# Altium PCB Radxa CM5 IO Board v2200.PcbDoc (part 8 of 8)
Units mil, origin at the board's own origin, x right, y up, seen from the top; angles counter-clockwise.
Board outline 6299.61 x 3544.09 mil, 4 copper layers (Top, GND, Power, Bottom), stack 35.4 mil thick; 482 components, 404 nets, 1857 pads, 2731 vias.
Unrouted connection lines stored in the file: 1872.
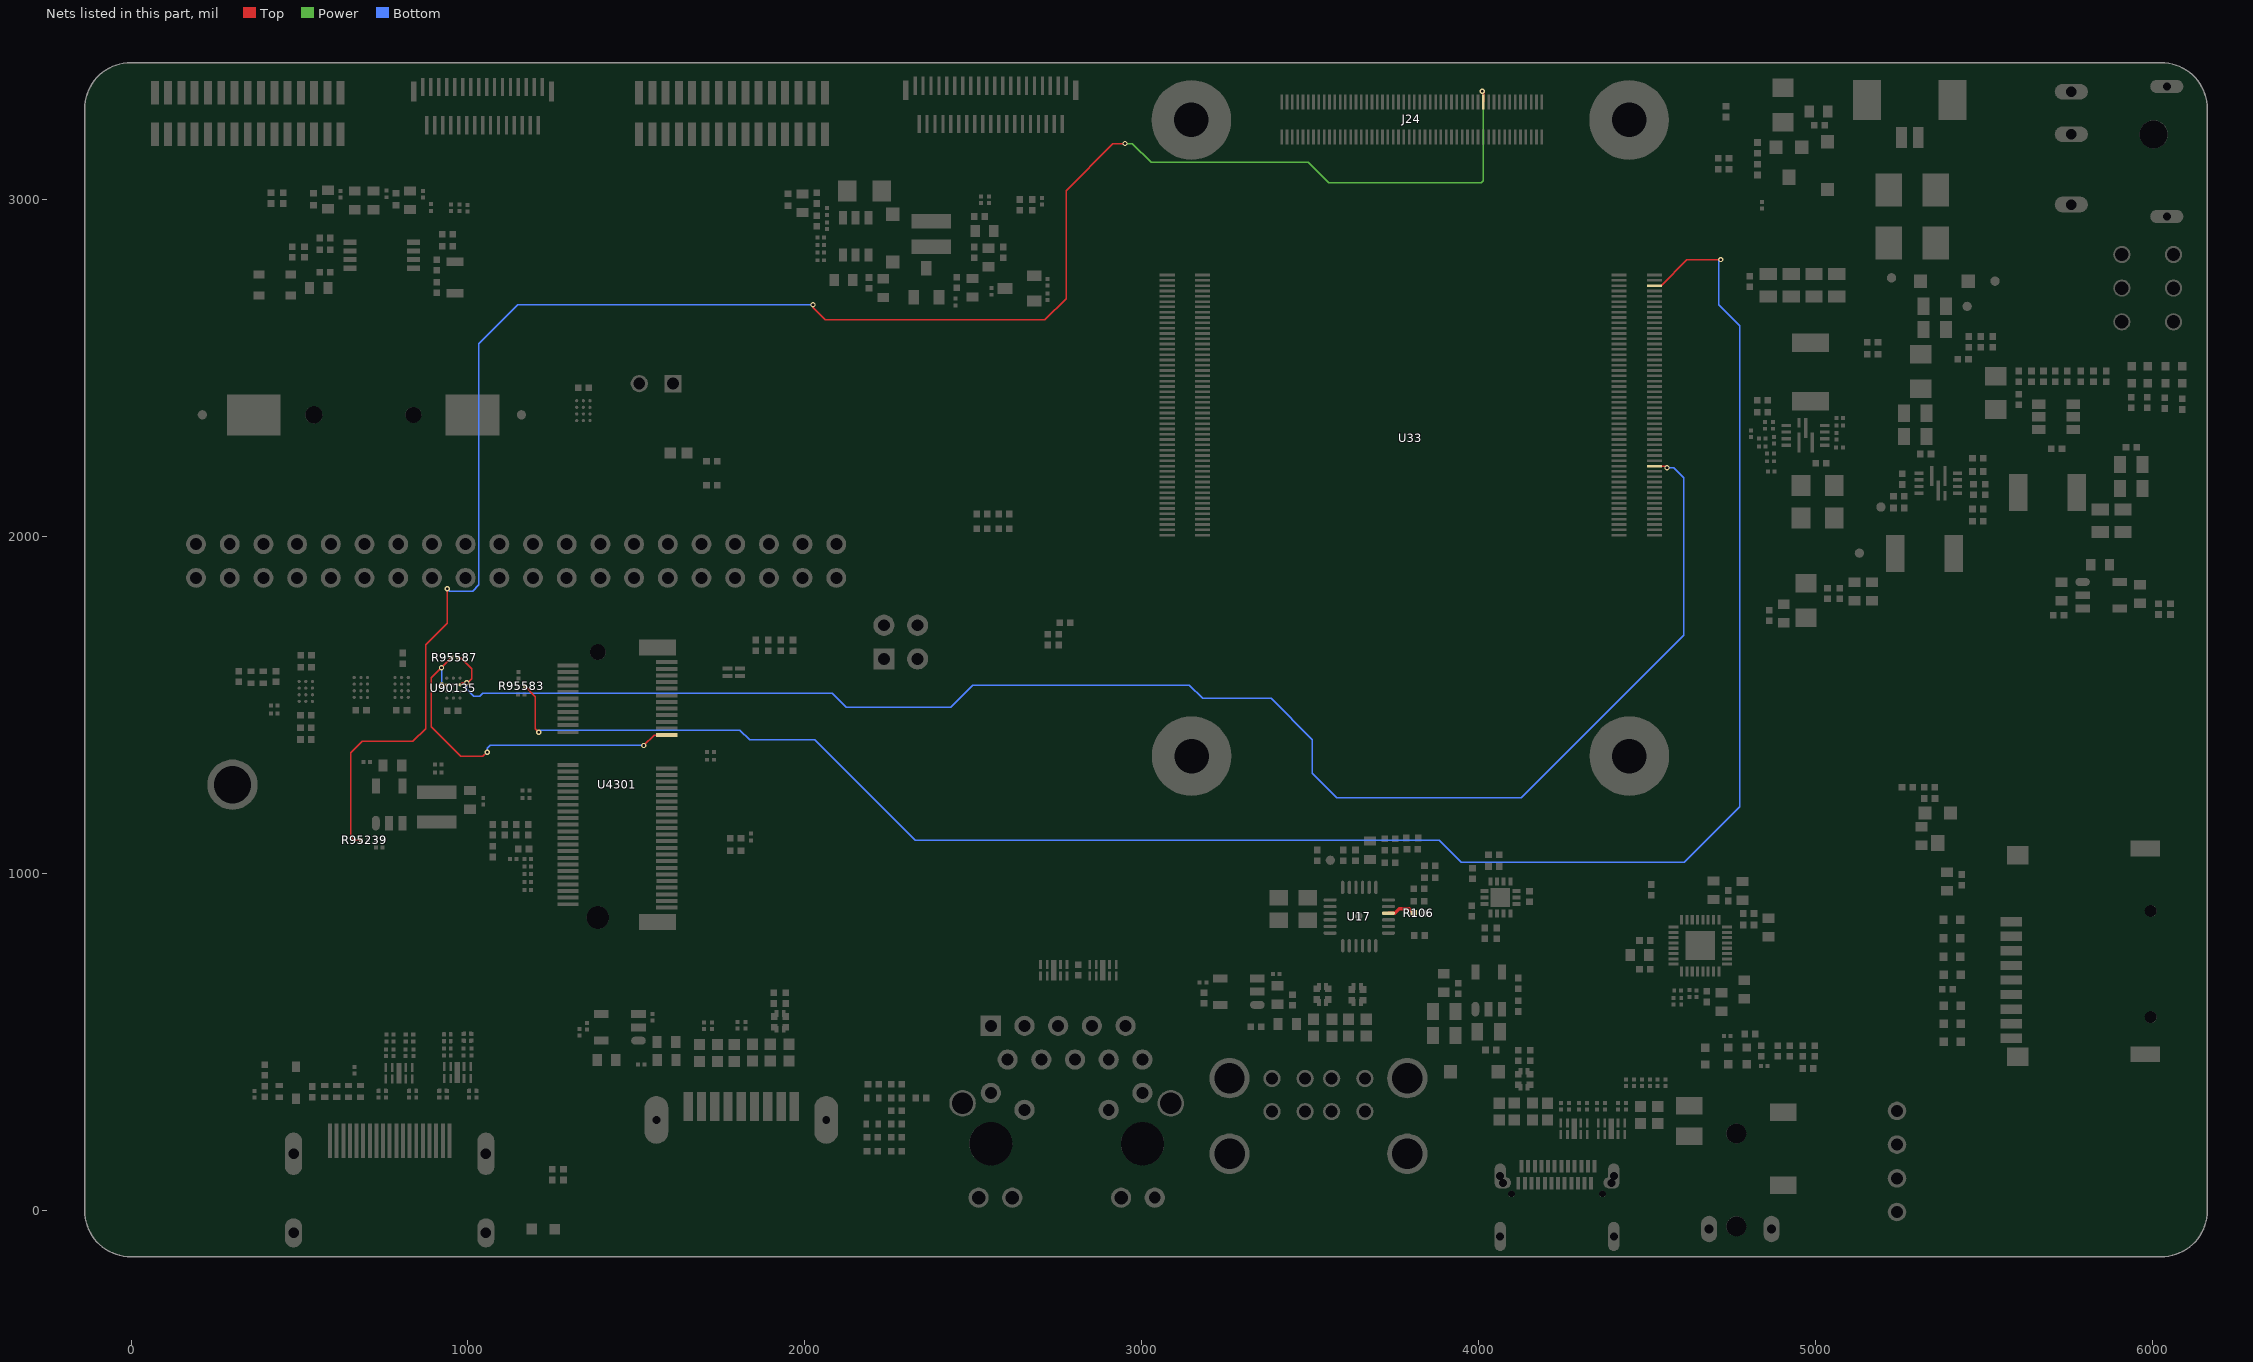
[diagram p9: the nets of this part, all layers, seen from the top]

## Via types
v1: diameter 15.75, hole 7.87, Top to Bottom, 2292 vias
v2: diameter 19.68, hole 11.81, Top to Bottom, 439 vias

## Nets (pads, with @x,y where several pads share a name; then routed paths per layer and width w, separated by ;. In a path a pad name is that pad's centre, name@x,y a point inside that pad or via, vN(x,y) a via of type N, cw(c..) or ccw(c..) an arc to the next point about the centre after c; other vN are vias at no path point) (continued)
WIFI_LED: R95583.1 U33.95 | length 5831.9
  Top w3.94: R95583.1@1169.29,1554.13 1199.8,1523.62 1199.8,1428.15 v1(1209.65,1418.31) ; U33.95@4520.47,2743.5 4540.35,2743.5 4616.73,2819.88 4717.52,2819.88 v1(4717.52,2820.87)
  Bottom w3.94: v1(1209.65,1418.31) 1215.55,1424.21 1807.09,1424.21 1835.63,1395.67 2029.53,1395.67 2327.76,1097.44 3882.87,1097.44 3947.83,1032.48 4609.25,1032.48 4774.61,1197.83 4774.61,2624.02 4711.61,2687.01 4711.61,2814.96 v1(4717.52,2820.87)
WIFI_PWR_EN: J24.24 R95239.1 | length 5608.1
  Top w3.94: R95239.1@683.07,1098.43 662.4,1098.43 652.76,1108.07 652.76,1357.98 686.5,1391.73 836.61,1391.73 874.02,1429.13 874.02,1678.15 937.99,1742.13 v1(937.99,1844.49) ; v1(2023.62,2687.01) 2023.93,2687.32 2023.93,2677.47 2059.67,2641.73 2711.61,2641.73 2774.61,2704.72 2774.61,3025.9 2914.06,3165.35 v1(2949.8,3165.35) ; v1(4009.84,3320.87) 4013.78,3316.93 4013.78,3289.17 J24.24@4013.19,3288.58
  Power w3.94: v1(2949.8,3165.35) 2971.26,3165.35 3027.36,3109.25 3494.04,3109.25 3554.08,3049.21 4006.89,3049.21 4012.8,3055.12 4012.8,3317.91 v1(4009.84,3320.87)
  Bottom w3.94: v1(937.99,1844.49) 945.87,1836.61 1013.78,1836.61 1032.48,1855.31 1032.48,2571.48 1148,2687.01 v1(2023.62,2687.01)
WIFI_REG_ON: R95587.2 U4301.23 U90135.B1 | length 1064.8
  Top w3.94: v1(921.26,1609.25) v1@921.26,1610.24 ; v1(922.24,1559.06) U90135.B1@937.01,1559.05 ; R95587.2@950.79,1639.76 v1@921.26,1610.24 ; v1(1057.09,1359.25) 1044.29,1346.46 978.35,1346.46 890.75,1434.06 890.75,1579.72 v1@921.26,1610.24 ; v1(1521.65,1378.94) 1552.52,1409.8 U4301.23@1589.78,1409.8
  Bottom w3.94: v1(921.26,1609.25) 922.24,1608.27 v1(922.24,1559.06) ; v1(1057.09,1359.25) 1057.09,1370.08 1065.94,1378.94 v1(1521.65,1378.94)
WIFI_REG_ON_E: R95587.1 U33.27 U90135.B3 | length 4783.4
  Top w3.94: R95587.1@970.47,1639.76 978.35,1639.76 1011.81,1606.3 1011.81,1576.77 998.03,1562.99 v1(996.06,1564.96) 982.29,1564.96 U90135.B3@976.38,1559.05 ; U33.27@4520.47,2208.07 4552.76,2208.07 v1(4558.07,2202.76)
  Bottom w3.94: v1(996.06,1564.96) 996.06,1546.26 1016.73,1525.59 1035.43,1525.59 1044.29,1534.45 2080.71,1534.45 2123.03,1492.13 2432.09,1492.13 2498.03,1558.07 3140.44,1558.07 3179.81,1518.7 3383.44,1518.7 3505.91,1396.23 3505.91,1295.95 3578.43,1223.43 4125.11,1223.43 4608.27,1706.58 4608.27,2173.03 4578.54,2202.76 v1(4558.07,2202.76)
XRSTJ: R106.2 U17.16 | length 86
  Top w9.84: U17.16@3731.49,881.2 3750.29,881.2 3763.78,894.68 3792.81,894.68 R106.2@3806.29,881.2
pads on no net: CN14A1.14 CN14A1.15 J3.21 J3.22 J6.16 J6.17 J6.18 J6.19 J6.20 J6.21 J6.22 J6.23 J6.24 J6.25 J6.26 J6.27 J6.28 J6.29 J6.30 J7.16 J7.17 J7.18 J7.19 J7.20 J7.21 J7.22 J7.23 J7.24 J7.25 J7.26 J7.27 J7.28 J7.29 J7.30 J15.1 J15.7 J15.8 J24.16 J24.33 J24.35 J24.39 J24.41 J24.44 J24.46 J24.50 J24.52 J24.54 J24.58 J24.60 J24.64 J24.66 J24.70 J24.78 J24.80 J24.82 J24.84 J24.86 J24.88 J24.91 J24.97 J5002.8 J5002.9 J5002.22 J5002.26 J8202.H1 J8202.H2 U1.4 U17.2 U17.22 U17.23 U17.24 U27.4 U27.12 U33.16 U33.18 U33.26 U33.64 U33.68 U33.70 U33.72 U33.76 U33.78 U33.94 U33.101 U33.104 U33.111 U33.143 U33.146 U33.148 U33.149 U33.152 U33.154 U33.158 U33.160 U33.164 U33.166 U37.6 U4301.8 U4301.9 U4301.10 U4301.11 U4301.12 U4301.13 U4301.14 U4301.15 U4301.16 U4301.17 U4301.19 U4301.22 U4301.32 U4301.34 U4301.36 U4301.38 U4301.40 U4301.44 U4301.46 U4301.48 U4301.59 U4301.61 U4301.62 U4301.64 U4301.65 U4301.66 U4301.67 U4301.68 U4301.71 U4301.73 U4301.78 U4301.79 U90104.5 U90104.36 U90104.37 U90129.11 U90129.29 U90129.30 U90131.3 U90131.4 U90133.D1 U90133.D3 U90135.A1 U90135.A3 U90136.C1 U90136.C3 U90136.D1 U90136.D3

## Polygon pours and split planes (outlines as drawn)
GND on Power "Power-GND" (solid, remove dead copper, pour order 10): -163.39,1177.17 -163.39,1139.76 -110.24,1139.76 -110.24,1177.17
VCC5V0_SYS on Power "Power-VCC5V0_SYS" (solid, remove dead copper, pour order 5): 4933.07,2027.56 4933.07,1174.21 4665.35,906.5 3097.44,906.5 2696.6,1307.33 2696.6,2641.73 2591.41,2746.92 2466.54,2746.92 2315.51,2595.9 1871.06,2595.9 1756.61,2710.35 856.3,2710.35 717.87,2848.78 717.87,2941.93 694.07,2965.73 629.92,2965.73 596.86,2932.67 478.35,2932.67 94.49,2548.81 94.49,592.72 433.17,254.04 2172.24,254.04 2213.48,295.28 3724.41,295.28 3728.35,291.34 4375,291.34 4706.19,-39.86 5350.39,-39.86 5435.77,45.52 5435.77,281.5 5776.57,625.39 5776.57,2027.56
VBUS5V0_TYPEC on Power "Power-VBUS5V0_TYPEC" (solid, remove dead copper, pour order 4): 4049.21,25.59 4049.21,-35.79 4286.77,-35.79 4307.79,-14.76 4307.79,15.47 4282.91,40.35 4282.91,59.61 4303.03,79.72 4303.03,156.37 4293.31,166.09 4267.96,166.09 4253.44,151.57 4253.44,38.2 4241.45,26.21 4220.1,26.21 4209.89,36.42 4209.89,141.98 4194.82,157.05 4182.58,157.11 4139.76,115.16 4139.76,42.32 4123.03,25.59
GND on Power "Power-GND 1" (solid, remove dead copper, pour order 3): -235.24,3552.17 -235.24,-220.47 6285.43,-220.47 6285.43,3552.17
VCC3V3_SYS on Power "Power-VCC3V3_SYS" (solid, remove dead copper, pour order 2): 2326.38,2866.14 2325.2,2866.14 2325.2,2785.04 2856.3,2785.04 2856.3,2854.33 2726.77,2983.86 2444.09,2983.86
VCC5V0_USB on Power "Power-VCC5V0_USB" (solid, remove dead copper, pour order 1): 3104.82,910.43 4664.37,910.43 4930.12,1176.18 4930.12,1758.86 4570.87,1758.86 4570.87,1324.8 4500,1253.94 3123.03,1253.94 3084.15,1215.06 3084.15,931.1
VCC3V3_SYS on Power "Power-VCC3V3_SYS 1" (solid, remove dead copper, pour order 0): 5884.84,2038.39 5884.84,2382.87 5312.01,2382.87 4742.38,2952.5 3428.41,2952.5 3355.31,2879.41 2336.1,2879.41 2232.24,2775.54 2099.36,2775.54 1770.67,3104.24 494.19,3104.24 465.74,3075.79 465.74,2967.71 484.25,2949.2 597.06,2949.2 621.06,2973.19 704.49,2973.19 731.82,2945.87 731.82,2856.82 869.09,2719.55 1767.78,2719.55 1883.86,2603.47 2318.77,2603.47 2471.46,2756.15 2615.4,2756.15 2684.06,2687.5 3517.22,2687.5 4166.34,2038.39
GND on GND "GND-GND" (solid, remove dead copper, pour order 6): -155.51,3423.23 -155.51,-629.92 6181.1,-629.92 6181.1,3423.23
GND on Bottom "Bottom-GND" (solid, remove dead copper, pour order 9): -171.26,3438.98 -171.26,-629.92 6196.85,-629.92 6196.85,3438.98
VBUS5V0_TYPEC on Bottom "Bottom-VBUS5V0_TYPEC" (solid, remove dead copper, pour order 7): 4049.21,25.59 4049.21,-35.79 4286.77,-35.79 4307.79,-14.76 4307.79,15.47 4282.91,40.35 4282.91,59.61 4303.03,79.72 4303.03,156.37 4293.31,166.09 4267.96,166.09 4253.44,151.57 4253.44,38.2 4241.45,26.21 4220.1,26.21 4209.89,36.42 4209.89,141.98 4194.82,157.05 4182.58,157.11 4139.76,115.16 4139.76,42.32 4123.03,25.59
GND on Top "Top-GND" (solid, remove dead copper, pour order 8): -147.64,3415.35 -147.64,-629.92 6173.23,-629.92 6173.23,3415.35

## Keep-outs
Top:
  region: 494.09,1573.82 494.09,1504.92 543.31,1504.92 543.31,1573.82 494.09,1573.82
  region: 3371.06,954.72 3371.06,827.76 3524.61,827.76 3524.61,954.72 3371.06,954.72
  region: 935.04,2827.76 935.04,2707.68 987.2,2707.68 987.2,2827.76 935.04,2827.76
  region: 657.48,1585.63 657.48,1516.73 706.69,1516.73 706.69,1585.63 657.48,1585.63
  region: 4178.15,3263.78 4178.15,3312.01 3420.28,3312.01 3420.28,3263.78 4178.15,3263.78
  region: 2315.94,2956.69 2315.94,2837.6 2434.06,2837.6 2434.06,2956.69 2315.94,2956.69
  region: 4882.87,2553.15 4882.87,2422.24 5082.68,2422.24 5082.68,2553.15 4882.87,2553.15
  region: 3422.24,3208.66 3422.24,3160.43 4178.15,3160.43 4178.15,3208.66 3422.24,3208.66
  region: 5173.23,2971.46 5173.23,2921.26 5412.4,2921.26 5412.4,2971.46 5173.23,2971.46
  region: 4440.94,2009.84 4440.94,2780.51 4390.75,2780.51 4390.75,2009.84 4440.94,2009.84
  region: 932.09,1583.66 932.09,1514.76 981.3,1514.76 981.3,1583.66 932.09,1583.66
  region: 4496.06,2782.48 4496.06,2014.76 4545.28,2014.76 4545.28,2782.48 4496.06,2782.48
  region: 848.43,1256.89 848.43,1150.59 966.54,1150.59 966.54,1256.89 848.43,1256.89
  region: 3051.18,2780.51 3051.18,1996.06 3100.39,1996.06 3100.39,2780.51 3051.18,2780.51
  region: 778.54,1585.63 778.54,1516.73 827.76,1516.73 827.76,1585.63 778.54,1585.63
  region: 5598.43,2230.31 5598.43,2028.54 5794.29,2028.54 5794.29,2230.31 5598.43,2230.31
  region: 1311.02,2413.39 1311.02,2331.69 1373.03,2331.69 1373.03,2413.39 1311.02,2413.39
  region: 3155.51,1995.08 3203.74,1995.08 3203.74,2777.56 3155.51,2777.56 3155.51,1995.08
  region: 5215.55,2050.2 5215.55,1848.43 5429.13,1848.43 5429.13,2050.2 5215.55,2050.2
Power:
  region: 1657.15,1500 ccw(c1645.67,1500) 1645.67,1511.48 ccw(c1645.67,1500) 1634.19,1500 ccw(c1645.67,1500) 1645.67,1488.52 ccw(c1645.67,1500)
  region: 5310.45,2305.12 ccw(c5297.24,2305.12) 5297.24,2318.32 ccw(c5297.24,2305.12) 5284.04,2305.12 ccw(c5297.24,2305.12) 5297.24,2291.91 ccw(c5297.24,2305.12)
Keep-Out Layer:
  lines w3.94: -53.15,-0.79 53.15,-0.79 ; -53.12,1929.12 53.18,1929.12 ; 242.15,177.15 348.45,177.15 ; 242.15,2893.68 348.45,2893.68 ; 2230.34,-0.02 2336.64,-0.02 ; 2230.34,1929.12 2336.64,1929.12 ; 5517.74,177.15 5624.04,177.15 ; 5517.74,2893.68 5624.04,2893.68 ; -137.8,-0.79 ccw(c0,-0.79) 0,-138.58 6024.02,-138.58 ccw(c6024.02,-0.79) 6161.81,-0.79 6161.81,3267.72 ccw(c6024.02,3267.72) 6024.02,3405.51 0,3405.51 ccw(c0,3267.72) -137.8,3267.72 -137.8,-0.79 ; 5971.46,3161.42 6033.46,3161.42 6033.46,3223.43 5971.46,3223.43 5971.46,3161.42

## Other copper
Top:
  region net N43540: 5859.25,3364.17 5529.53,3364.17 5486.22,3320.87 5486.22,3237.2 5383.86,3134.84 5212.6,3134.84 5178.4,3100.64 5178.4,2969.49 5499.02,2969.49 5694.88,3165.35 5694.88,3211.61 5717.77,3234.5 5859.25,3234.5 5859.25,3364.17
  region net VCC_SYSIN: 4778.54,2591.54 4778.54,2614.17 4749.02,2614.17 4749.02,2584.15 4755.41,2584.15 4762.8,2591.54 4778.54,2591.54
  region net VCC5V0_USB: 3153.54,625 3153.54,559.06 3257.87,559.06 3257.87,625 3153.54,625
  region net VCC3V3_SYS: 5750,2245.08 5750,2040.35 5932.09,2040.35 5932.09,2274.61 5779.53,2274.61 5750,2245.08
  region net GND: 3360.24,913.39 3407.48,913.39 3407.48,923.23 3360.24,923.23 3360.24,913.39
  region net N42228: 5361.22,2150.59 5329.23,2118.6 5329.23,2043.31 5369.83,2002.71 5369.83,1849.41 5476.38,1849.41 5490.16,1863.19 5490.16,2018.7 5467.52,2041.34 5467.52,2042.32 5441.44,2068.41 5441.44,2083.66 5429.87,2095.23 5374.02,2095.23 5365.53,2103.72 5365.53,2150.59 5361.22,2150.59
  region net VCC_LEDA: 2322.83,3270.67 2322.83,3160.43 2343.5,3160.43 2343.5,3250 2322.83,3270.67
  region net VCC5V0_SYS: 3874.02,728.35 3874.02,669.29 4000,669.29 4000,728.35 3874.02,728.35
  region net VCC5V0_SYS: 4050.2,1064.96 4050.2,1045.28 4106.3,1045.28 4106.3,1064.96 4050.2,1064.96
  region net VCC5V0_SYS: 2381.89,2698.82 2526.57,2698.82 2526.57,2743.11 2381.89,2743.11 2381.89,2698.82
  region net VCC_3V3_S3: 5070.87,2902.56 5097.44,2875.98 5103.35,2875.98 5124.02,2896.65 5124.02,2906.5 5099.41,2931.1 5070.87,2902.56
  region net N132478: 716.54,1269.68 709.65,1262.8 709.65,1254.92 717.03,1247.54 730.31,1247.54 730.31,1269.68 716.54,1269.68
  region net VCC5V0_SYS: 4876.97,2185.04 4825.3,2133.37 4825.3,1875 4863.44,1836.86 4958.66,1836.86 4958.66,2186.02 4876.97,2186.02 4876.97,2185.04
  region net VCC3V3_WF: 1375,1397.64 1354.33,1376.97 1354.33,1345.47 1371.56,1328.25 1399.61,1328.25 1399.61,1397.64 1375,1397.64
  region net VCC12V: 5292.57,2486.22 5292.57,2291.58 5356.79,2227.36 5356.79,2189.47 5380.91,2165.35 5380.91,2157.48 5398.5,2157.48 5398.5,2194.02 5408.46,2203.99 5438.73,2203.99 5502.95,2268.21 5560.53,2268.21 5635.83,2343.5 5679.13,2343.5 5679.13,2367.25 5638.9,2367.25 5603.35,2402.81 5521.9,2402.81 5483.76,2440.94 5483.76,2465.06 5462.6,2486.22 5292.57,2486.22
  region net VCC_MIPI: 1940.55,3004.72 2053.54,3004.72 2053.54,3042.91 1957.09,3042.91 1940.55,3026.38 1940.55,3004.72
  region net OVCJ: 3545.28,922.24 3545.28,918.31 3570.62,918.31 3570.62,922.98 3562.99,930.61 3553.64,930.61 3545.28,922.24
  region net VCC5V0_USB1: 1679.13,331.69 1679.13,243.11 1689.96,232.28 1696.85,232.28 1711.12,246.56 1711.12,257.87 1706.94,262.06 1706.94,331.69 1679.13,331.69
  region net VCC5V0_USB: 1325.79,519.68 1325.79,423.23 1408.46,423.23 1408.46,519.68 1325.79,519.68
  region net GND: 3497.05,861.22 3497.05,821.85 3506.89,821.85 3506.89,861.22 3497.05,861.22
  region net N16722445: 2176.18,2771.65 2176.18,2751.97 2199.8,2751.97 2199.8,2771.65 2176.18,2771.65
  region net VBUS5V0_TYPEC: 3850.39,458.66 3862.2,446.85 3872.05,446.85 3872.05,463.58 3850.39,463.58 3850.39,458.66
  region net VCC5V0_USB1: 1490.16,509.84 1490.16,467.52 1524.11,433.56 1563.98,433.56 1563.98,509.84 1490.16,509.84
  region net N43676: 5634.72,2323.82 5557.95,2247.05 5557.95,2033.34 5568.9,2022.39 5631.15,2022.39 5655.02,2046.26 5655.02,2212.11 5699.8,2256.89 5699.8,2323.82 5634.72,2323.82
  region net VCC5V0_SYS: 5169.29,2066.93 5162.4,2066.93 5162.4,2029.53 5184.55,2029.53 5184.55,2051.67 5169.29,2066.93
  region net N28976: 3691.93,941.93 3736.22,941.93 3762.8,968.5 3762.8,1091.54 3795.28,1091.54 3795.28,1121.06 3736.22,1121.06 3736.22,1011.81 3691.93,967.52 3691.93,941.93
  region net VCC5V0_USB: 3101.57,967.72 3056.69,967.72 3056.69,613.78 3120.47,550 3251.97,550 3251.97,616.54 3144.49,616.54 3101.57,659.45 3101.57,967.72
  region net VCC5V0_SYS: 4933.56,2301.18 4933.56,2260.33 4898.62,2225.39 4898.62,2213.58 4876.97,2191.93 4876.97,1835.63 5263.78,1835.63 5263.78,2055.73 5174.58,2055.73 5130.91,2012.06 5021.9,2012.06 5009.35,2024.61 5009.35,2210.14 4975.39,2244.09 4975.39,2279.53 4960.63,2279.53 4949.8,2290.35 4949.8,2301.18 4933.56,2301.18
  region net VCC_3V3_S3: 5293.31,1122.05 5368.11,1122.05 5368.11,1163.39 5337.11,1194.39 5293.31,1194.39 5293.31,1122.05
  region net VCC5V0_SYS: 641.73,2984.25 641.73,2937.01 682.09,2937.01 682.09,2984.25 641.73,2984.25
  region net VCC3V3_SYS: 520.67,2993.11 520.67,2952.76 554.13,2952.76 554.13,2993.11 520.67,2993.11
  region net VCC5V0_SYS: 4050.2,1064.96 4050.2,1004.92 4078.74,1004.92 4078.74,1064.96 4050.2,1064.96
  region net VCC_3V3_S0: 5731.3,1919.29 5731.3,1854.33 5830.71,1854.33 5830.71,1919.29 5731.3,1919.29
  region net VCC5V0_USB: 3812.01,1114.17 3812.01,1044.29 3850.39,1044.29 3850.39,1114.17 3812.01,1114.17
  region net VCC5V0_USB: 3077.76,968.11 3077.76,911.42 3180.12,911.42 3180.12,968.11 3077.76,968.11
  region net N16763522: 3321.11,624.02 3321.11,578.99 3346.95,553.15 3346.95,462.11 3369.09,439.96 3397.64,439.96 3434.06,476.38 3434.06,576.77 3455.71,598.43 3455.71,624.02 3321.11,624.02
  region net VCC3V3_SD: 5382.87,1113.19 5288.39,1113.19 5288.39,930.12 5456.69,930.12 5456.69,975.39 5350.39,975.39 5350.39,1051.18 5382.87,1051.18 5382.87,1113.19
  region net VCC12V: 5466.54,2490.16 5456.69,2490.16 5456.69,2466.54 5466.54,2466.54 5466.54,2490.16
  region net VCC3V3_WF: 1134.84,1279.53 1154.53,1279.53 1160.43,1285.43 1160.43,1302.17 1134.84,1302.17 1134.84,1279.53
  region net VCC5V0_SYS: 790.35,1342.52 790.35,1289.37 864.17,1289.37 864.17,1342.52 790.35,1342.52
  region net N132294: 802.17,1170.28 802.17,1126.97 966.54,1126.97 966.54,1170.28 802.17,1170.28
  region net VCC5V0_SYS: 5017.72,3278.54 5017.72,3195.87 5079.72,3195.87 5079.72,3278.54 5017.72,3278.54
  region net N16734501: 4966.78,2315.94 5004.92,2315.94 5004.92,2334.65 5037.4,2367.13 5096.46,2367.13 5096.46,2428.15 4859.25,2428.15 4859.25,2400.59 4895.18,2364.67 4950.79,2364.67 4966.78,2348.67 4966.78,2315.94
  region net VCC_3V3_S3: 5858.27,1921.26 5858.27,1835.63 6046.26,1835.63 6046.26,1921.26 5858.27,1921.26
  region net VCC_SYSIN: 5105.81,2668.31 5105.81,2680.61 5099.41,2687.01 5062.01,2687.01 5062.01,2657.48 5082.68,2657.48 5093.5,2668.31 5105.81,2668.31
  region net VCC3V3_SYS: 771.65,2992.13 771.65,2955.71 800.2,2955.71 800.2,2992.13 771.65,2992.13
  region net VCC5V0_USB: 4839.57,1760.83 4839.57,1669.29 5001.97,1669.29 5001.97,1760.83 4839.57,1760.83
  region net VCC3V3_SYS: 2578.74,2837.6 2578.74,2815.94 2632.87,2815.94 2632.87,2837.6 2578.74,2837.6
  region net VCC3V3_SYS: 1918.31,2990.16 1918.31,2900.59 1959.65,2900.59 1959.65,2990.16 1918.31,2990.16
  region net 3V3_CAM1: 530.76,3007.87 599.41,3007.87 610.24,3018.7 637.8,3018.7 637.8,3227.36 614.17,3227.36 614.17,3065.94 601.87,3053.64 545.28,3053.64 530.76,3039.12 530.76,3007.87
  region net VCC_SYSIN: 4548.23,2678.15 4548.23,2599.41 4765.75,2599.41 4814.96,2550.2 5085.63,2550.2 5085.63,2741.63 4611.71,2741.63 4548.23,2678.15
  region net 5V_CAM: 648.62,3046.26 648.62,3010.64 735.42,3010.64 746.06,3021.28 758.24,3021.28 789.37,3052.41 860.97,3052.41 879.43,3070.87 879.43,3262.3 868.11,3273.62 860.97,3273.62 860.97,3082.92 850.39,3072.34 762.3,3072.34 736.22,3046.26 648.62,3046.26
  region net VCC_3V3_S0: 5661.42,1900.59 5661.42,1852.36 5811.02,1852.36 5811.02,1900.59 5661.42,1900.59
  region net VCC12V_DCIN: 5173.23,2923.23 5173.23,2497.05 5430.12,2497.05 5430.12,2571.85 5357.28,2571.85 5357.28,2726.38 5413.88,2782.97 5413.88,2923.23 5173.23,2923.23
  region net VCC_SYSIN: 4552.17,2601.38 4581.69,2571.85 4645.67,2571.85 4664.86,2552.66 4853.35,2552.66 4853.35,2672.24 4553.15,2672.24 4553.15,2601.38 4552.17,2601.38
  region net VBUS5V0_TYPEC: 3900.1,618.11 3888.29,606.3 3888.29,487.7 3862.2,461.61 3862.2,53.15 3942.91,-27.56 4107.28,-27.56 4107.28,23.38 4088.34,23.38 4024.11,87.6 4024.11,503.44 4000,527.56 4000,618.11 3900.1,618.11
  text "160.1mm" at 2850.6,3545.18 h50
  text "90.0mm" at -546.26,1590.55 h50
Power:
  region net VCC12V: 5339.07,2489.17 5339.07,2450.3 5378.94,2410.43 5484.25,2410.43 5484.25,2489.17 5339.07,2489.17
  region net VCC_1V8_S0: 4943.9,2906.5 4943.9,2863.19 4980.31,2863.19 4980.31,2906.5 4943.9,2906.5
  region net VCC3V3_SYS: 4908.66,2772.44 4908.66,2737.01 4943.7,2737.01 4943.7,2765.75 4937.01,2772.44 4908.66,2772.44
  region net VCC5V0_SYS: 4169.29,901.57 4162.89,907.97 4153.54,907.97 4147.88,902.31 4147.88,896.65 4169.29,896.65 4169.29,901.57
  region net VCC_1V8_S3: 97.44,2634.84 97.44,2642.72 103.35,2648.62 103.35,2653.54 89.57,2653.54 89.57,2634.84 97.44,2634.84
Bottom:
  region net VCC5V0_SYS: 4937.01,1969.49 4937.01,1882.87 5112.2,1882.87 5112.2,1969.49 4937.01,1969.49
  region net VCC3V3_SYS: 5818.9,2203.74 5818.9,2117.13 5880.91,2117.13 5880.91,2203.74 5818.9,2203.74
  region net VCC5V0_SYS: 5031.5,3244.09 5031.5,3195.87 5079.72,3195.87 5079.72,3244.09 5031.5,3244.09
  region net VCC3V3_SYS: 1045.28,2834.65 1045.28,2781.5 1091.54,2781.5 1091.54,2834.65 1045.28,2834.65
  region net VCC_3V3_S3: 5974.41,1910.43 5974.41,1837.6 6041.34,1837.6 6041.34,1910.43 5974.41,1910.43
  region net VCC5V0_USB: 1326.38,471.65 1326.38,420.08 1376.77,420.08 1376.77,471.65 1326.38,471.65
  region net VCC5V0_USB: 3084.65,947.83 3084.65,902.56 3179.63,902.56 3179.63,919.78 3151.57,947.83 3084.65,947.83
  region net VCC5V0_USB1: 1669.29,263.78 1669.29,213.39 1716.93,213.39 1716.93,263.78 1669.29,263.78
  region net VCC_3V3_S3: 5067.91,2905.51 5096.46,2876.97 5111.22,2876.97 5125.98,2891.73 5128.94,2888.78 5128.94,2927.17 5067.91,2927.17 5067.91,2905.51
  region net VCC5V0_USB1: 1500.39,481.1 1500.39,430.31 1553.94,430.31 1553.94,481.1 1500.39,481.1
  region net VCC_3V3_S3: 5064.96,911.42 5064.96,883.86 5113.19,883.86 5113.19,911.42 5064.96,911.42
  region net VCC_3V3_S3: 5395.67,1161.42 5346.46,1161.42 5324.8,1139.76 5324.8,1109.25 5346.46,1109.25 5363.19,1125.98 5395.67,1125.98 5395.67,1161.42
  region net VCC5V0_USB: 3090.55,940.94 3063.48,913.88 3063.48,896.65 3110.24,896.65 3110.24,940.94 3090.55,940.94
Multi-Layer:
  lines w1: 80.71,-137.8 80.74,-137.8 ; 6161.42,3255.91 6161.44,3255.91 ; -139.76,3370.08 -139.74,3370.08 ; 62.99,3405.51 63.02,3405.51
  lines w10: -337.4,-137.8 30.71,-137.8 ; -337.4,3405.51 12.99,3405.51 ; -287.4,1560.55 -287.4,-137.8 ; -287.4,1695.55 -287.4,3405.51 ; -139.76,3420.08 -139.76,3632.68 ; 2820.6,3582.68 -139.76,3582.68 ; 3201.05,3582.68 6161.42,3582.68 ; 6161.42,3305.91 6161.42,3632.68 ; -287.4,-137.8 -262.4,-37.8 -312.4,-37.8 -287.4,-137.8 ; -287.4,3405.51 -312.4,3305.51 -262.4,3305.51 -287.4,3405.51 ; -139.76,3582.68 -39.76,3557.68 -39.76,3607.68 -139.76,3582.68 ; 6161.42,3582.68 6061.42,3607.68 6061.42,3557.68 6161.42,3582.68

## Silkscreen, mask and mechanical layers (free items; w line width, h text height)
Silkscreen Top:
  drawing of 22474 lines, arcs and shapes, not listed
  text "FAN" at 5015.75,3307.09 h23.62
  text "12V_DC" at 5550.2,3190.94 h23.62
  text "LCD1" at 2530.51,3119.09 h29.53
  text "Connector3" at 3690.94,3110.24 h23.62
  text "Camera 1" at 936.02,3101.38 h29.53
  text "-" at 5204.72,3094.49 h39.37
  text "+" at 5338.58,3094.49 h39.37
  text "Camera 0" at 164.37,3073.82 h29.53
  text "LCD0" at 1636.81,3064.96 h29.53
  text "Power" at 6013.78,2895.67 h23.62
  text "RECOVERY" at 5628.94,2828.74 h23.62
  text "CM5 IO V2.2" at 1205.71,2752.95 h49.21
  text "GND" at 5558.07,2743.11 h23.62
  text "GND" at 5773.62,2717.52 h23.62
  text "VCC12V" at 5147.64,2700.79 h23.62
  text "BAT_RTC" at 694.88,2684.06 h23.62
  text "GND" at 5474.41,2665.35 h23.62
  text "RESET" at 5724.41,2615.16 h23.62
  text "Maskrom" at 5985.24,2545.28 h23.62
  text "Connector1" at 4342.52,2368.11 h23.62 r90
  text "-MIC+" at 1500,2356.3 h23.62
  text "Connector2" at 3273.62,2352.36 h23.62 r90
  text "GND" at 1190.94,2341.54 h23.62
  text "RTC+" at 175.2,2296.26 h23.62
  text "LDO5V" at 5171.26,2238.19 h23.62 r270
  text "GND" at 409.45,2017.72 h23.62 r90
  text "TX" at 505.91,2017.72 h23.62 r90
  text "RX" at 604.33,2017.72 h23.62 r90
  text "U33-A" at 4377.95,1909.45 h29.53
  text "U33-B" at 3061.02,1895.67 h29.53
  text "VCC5V" at 5056.1,1893.7 h23.62
  text "POE" at 2253.94,1530.51 h29.53
  text "J2" at 276.77,1108.66 h29.53
  text "Ethernet" at 2466.54,647.64 h23.62
  text "USB2.0" at 3306.1,476.38 h29.53
  text "USB3.0" at 1992.13,377.95 h23.62
  text "Ext_PSU" at 5165.35,372.05 h23.62
  text "SD-CARD" at 5617.13,358.27 h29.53
  text "12V" at 5368.11,279.53 h23.62
  text "HDMI" at 717.52,273.62 h29.53
  text "TYPE-C" at 4003.94,182.09 h29.53
  text "GND" at 5368.11,177.17 h23.62
  text "GND" at 5368.11,76.77 h23.62
  text "5V" at 5379.92,-19.69 h23.62
Paste Mask Top:
  region: 375.45,1262.6 ccw(c301.18,1262.6) 301.18,1336.87 ccw(c301.18,1262.6) 226.91,1262.6 ccw(c301.18,1262.6) 301.18,1188.33 ccw(c301.18,1262.6)
Layer_103:
  drawing of 25203 lines, arcs and shapes, not listed
Layer_104:
  lines w1: 2368.11,622.05 2368.11,3393.7 5251.97,3393.7 5251.97,622.05 2368.11,622.05